# Altium PCB PCB1.PcbDoc (part 2 of 2)
Units mil, origin at the board's own origin, x right, y up, seen from the top; angles counter-clockwise.
Board outline 2320 x 1970 mil, 2 copper layers (Top Layer, Bottom Layer); 95 components, 145 nets, 507 pads, 282 vias.
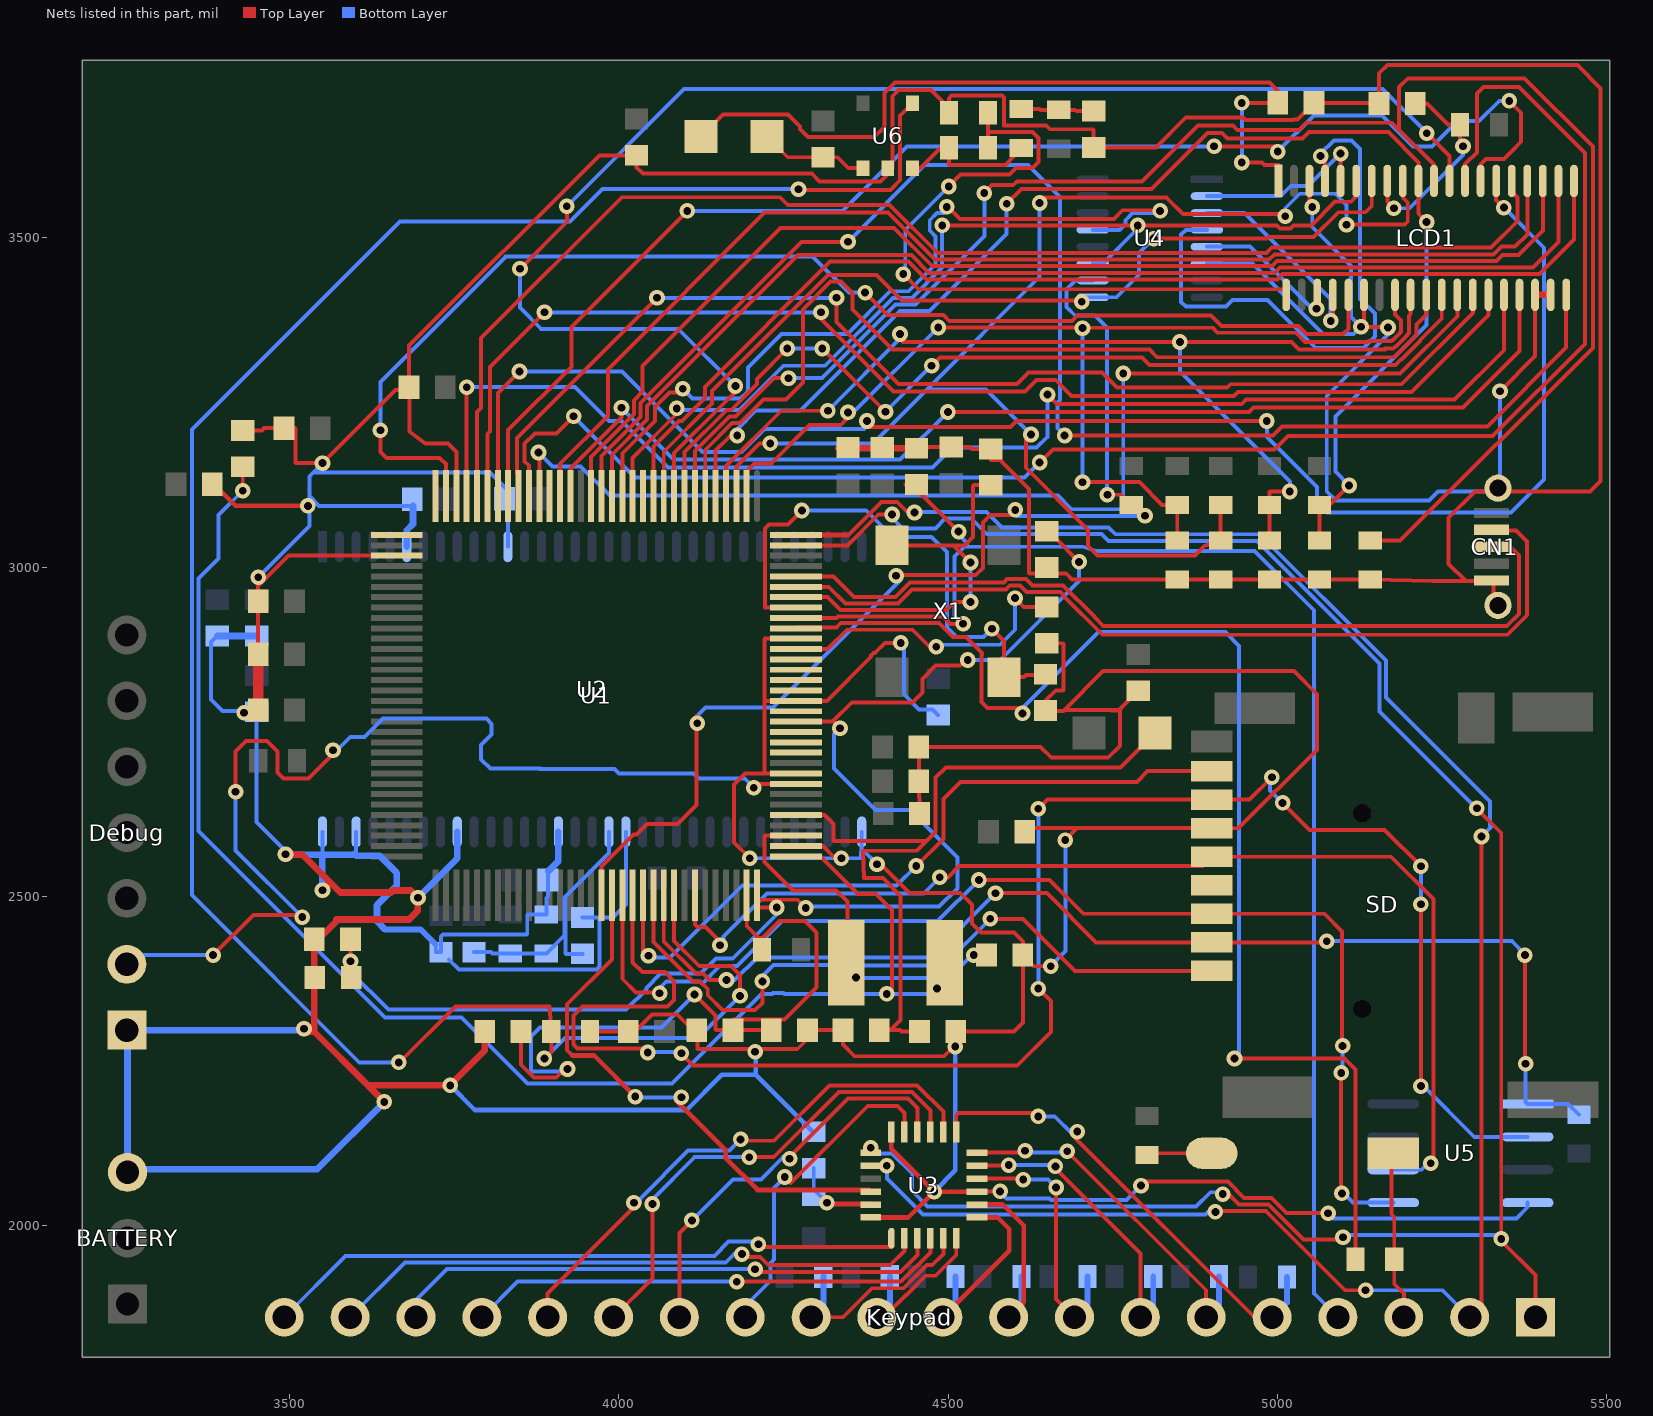
[diagram p2: the nets of this part, all layers, seen from the top]

## Via types
v1: diameter 23.81, hole 11.81, Top Layer to Bottom Layer, tented both sides, 184 vias
v2: diameter 23.62, hole 11.81, Top Layer to Bottom Layer, tented both sides, 98 vias

## Nets (pads, with @x,y where several pads share a name; then routed paths per layer and width w, separated by ;. In a path a pad name is that pad's centre, name@x,y a point inside that pad or via, vN(x,y) a via of type N, cw(c..) or ccw(c..) an arc to the next point about the centre after c; other vN are vias at no path point) (continued)
GND: BATTERY.3 C1.1 C2.1 C3.1 C4.1 C5.1 C6.1 C7.1 C8.1 C9.1 C10.1 C11.1 C12.1 C13.1 C14.1 C15.1 C16.1 C17.1 C18.1 C19.1 C20.1 C21.1 C22.1 C23.1 C24.1 C25.1 C26.1 C27.1 C28.1 C29.1 C30.1 C31.1 C32.1 C33.1 C34.1 C35.1 C36.1 C37.1 C39.1 C42.1 C43.1 C44.1 C45.1 C46.1 CN1.0 CN1.5 Debug.1 LCD1.5 LCD1.12 LCD1.34 LCD1.36 R4.1 R9.1 R11.1 R13.1 R15.1 R16.1 R19.1 R22.1 SD.6 U1.30 U1.35 U1.98 U1.105 U1.112 U1.118 U2.6 U2.12 U2.34 U2.48 U2.52 U2.58 U2.64 U2.66 U3.9 U3.18 U3.24 U4.6 U5.4 U6.2 | length 18451.8
  Top Layer w6: C23.1@3429,3207.56 3458,3207.56 3461.44,3211 C8.1@3491.44,3211 3508,3211 3508.96,3210.04 3508.96,3159 3510,3157.96 v1(3550,3158) v1(3550,3158) 3661,3269 3682,3269 3682,3206.15 ; C6.1@3452.44,2868 C5.1@3452.44,2948 3452.44,2971.44 ; v1(3452.44,2984.62) 3452.44,2971.44 ; C19.1@3537.44,2435 C19.1@3544.06,2435 ; U1.35@3662.76,3017.45 3498.45,3017.45 3452.44,2971.44 ; C13.1@3681.44,3273 3681.44,3336.44 3970.44,3625.44 C43.1@4027,3625.44 4027,3607 4036.46,3597.54 4293.04,3597.54 4305.01,3585.56 4397.56,3585.56 4408.4,3596.4 U6.2@4408.4,3606 4415.27,3606 4415.27,3715 4424.74,3724.46 4474.01,3724.46 R22.1@4501.47,3697 ; 3682,3206 3682,3206.15 ; U1.30@3753.31,3108 3753.31,3175 3740.78,3187.53 3707.03,3187.53 3682,3206.15 ; R19.1@3956.53,2295 C11.1@4014.44,2295 4024.46,2295 4050.41,2320.94 4088.71,2320.94 4112.66,2297 C16.1@4118.44,2297 4119.44,2268 4271,2268 C17.1@4300,2297 ; v1(4199,2558) 4175,2582 4175,2670 4191.74,2686.74 4222,2686.74 ; U1.98@4269.06,2576.5 4309.77,2576.5 4328.27,2558 v1(4338,2558) ; U1.105@4269.06,2686.74 4222,2686.74 ; U1.118@4269.06,2891.46 4222,2891.46 4221,2890.46 4221,2795.98 ; C17.1@4286.56,2297 C17.1@4300,2297 ; v1(4392,2549) 4397.52,2549 4441.52,2505 4518.5,2505 4536,2487.5 4536,2459 4550,2445 4600,2445 4613.56,2431.44 C24.1@4613.56,2411 ; v1(4428,2885) 4404.02,2885 4389.02,2870 4387.1,2870 4383,2865.9 4383,2863.98 4316,2796.98 U1.112@4269.06,2796.98 4222,2796.98 4221,2795.98 ; C25.1@4435,3180.56 C25.1@4452,3180.56 4469,3180.56 4471,3182.56 C14.1@4505,3182.56 4533,3182.56 4536,3179.56 C26.1@4565,3179.56 4565,3163.5 4565.5,3163 4578.68,3163 4623,3118.68 4623,2991.44 4624,2990.44 4679.41,2990.44 4688.38,2981.47 R9.1@4848,2981.47 R11.1@4914,2981.47 R13.1@4988,2981.47 R15.1@5064,2981.47 R16.1@5141,2981.47 5235.65,2978.82 5286.18,2978.82 ; C20.1@4455.92,2626 C20.1@4456.56,2626 4456.56,2650 4455.56,2651 C22.1@4455.56,2675 C21.1@4455.56,2727 4640.65,2727 4656.65,2711 4743.23,2711 4761,2728.77 4761,2784.44 C12.1@4783.28,2806.72 ; R22.1@4501.47,3690 R22.1@4501.47,3697 ; U3.9@4543.92,2051.87 4544.06,2052 v2(4579,2052) ; C4.1@4616.56,2598 4622.17,2603.61 4696,2603.61 ; C29.1@4650,2884.44 4674,2884.44 4675,2883.44 4675,2813.5 4674,2812.5 4663.5,2812.5 4649,2798 4649,2781.44 4675,2781.44 4676.56,2783 ; v2(4656,2394) 4630.56,2394 C24.1@4613.56,2411 ; v2(4678,2585.61) 4696,2603.61 ; 4748,2783 4676.56,2783 ; v2(4793,2061) 4798.81,2066.81 4924.79,2066.81 4949.6,2042 4990.94,2042 5013.94,2019 v2(5077,2019) ; LCD1.5@5048.84,3586.5 5048.84,3551.16 v1(5053,3547) ; v1(5127,3365) 5167,3365 v1(5168,3364) ; v1@5131.52,3369.52 LCD1.12@5131.52,3413.5 ; C45.1@5154.44,3704 C45.1@5154.44,3705 ; CN1.0@5338,2940 5328,2950 5328,2978.82 5286.18,2978.82 ; v1(5338,3267) 5391.36,3320.36 LCD1.34@5391.36,3413.5 ; 4221,2795.98 4221,2687.74 4222,2686.74 ; C17.1@4300,2297 C10.1@4340.44,2297 4340.44,2275 4358.11,2257.33 4493.89,2257.33 4511.56,2275 C9.1@4511.56,2295 4600,2295 4613.56,2308.56 C24.1@4613.56,2411 ; R22.1@4501.47,3697 4501.47,3712 4505.42,3715.94 4582,3715.94 4585,3712.94 4585,3671 4649,3671 4655,3665 4720,3665 4721,3664 C44.1@4721,3637.44 4815.89,3637.44 4860.94,3682.49 4947.91,3682.49 4951.34,3679.06 5024,3679.06 5025,3680.06 5030.62,3680.06 C42.1@5055.56,3705 C45.1@5154.44,3705 ; 4676.56,2783 4735.56,2842 5025,2842 5060,2807 5060,2722.61 4940.5,2603.11 SD.6@4900.65,2603.61 4696,2603.61 ; C45.1@5154.44,3705 5154.44,3750 5166.94,3762.5 5455.5,3762.5 5491,3727 5491,3131 5475,3115 5300,3115 5260,3075 5260,3005 5286.18,2978.82
  Top Layer w7: C3.1@3382.56,3126 3385,3126 3418,3093 v2(3528,3093) ; C19.1@3534.88,2437.56 C19.1@3537.44,2435 ; v2(4207,2264) v2@4207,2266 ; U3.24@4382.5,2012.5 4439.5,2012.5 v2(4478.87,2051.87) ; U3.18@4414,2142.42 4414,2116.73 v2(4478.87,2051.87) ; U3.9@4543.92,2051.87 v2(4478.87,2051.87) ; 4748,2783 4759.56,2783 4761,2784.44 ; C12.1@4783.28,2806.72 C12.1@4789,2812.44
  Top Layer w10: v1@3495,2563 3520,2563 3561.73,2521.27 ; v2(3522,2299) 3526.44,2294.56 3537.44,2294.56 ; C19.1@3537.44,2435 3537.44,2294.56 ; C19.1@3544.06,2435 3572.43,2463.38 ; v1(3550,2509.54) 3561.73,2521.27 ; 3570.81,2465 3681.52,2465 3695,2478.48 v1(3695,2498) 3683.96,2509.04 3657.06,2509.04 3654.02,2506 3577,2506 3561.73,2521.27 ; 3616.26,2215.74 3537.44,2294.56 ; v1(3644,2188) 3619,2213 3743.44,2213 3796.44,2266 C15.1@3796.44,2295 ; C1.1@4333,3180.56 C25.1@4435,3180.56 ; LCD1.34@5391.36,3413.5 LCD1.36@5414.98,3413.5
  Top Layer w15.75: C7.1@3452.44,2783 C6.1@3452.44,2868
  Bottom Layer w6: C33.1@3390,2895.44 3381,2886.44 3381,2799 3398.28,2781.72 v2@3431,2781.72 ; v2(3431,2779) v2@3431,2781.72 ; C37.1@3447.44,2783 3450,2783 C37.1@3450,2781.72 ; v1(3452.44,2984.62) 3530,3062.18 3530,3108 ; v1@3495,2563 v1(3494,2564) 3494,2569 3450,2613 C37.1@3450,2780.44 C37.1@3450,2781.72 ; 3550,2563 U2.66@3550,2598 ; v1(3550,3158) 3536,3144 ; 3595,2563 3601.18,2569.18 ; 3601.18,2562 3601.18,2569.18 ; U2.64@3601.18,2598 3601.18,2569.18 ; C31.1@3687.44,3093 3545,3093 3530,3108 ; C35.1@3722,2427 3722,2415.44 C35.1@3730,2415.44 3730,2439 3733,2442 3860,2442 3861,2443 3861,2471.53 3862,2472.53 R4.1@3890,2472.53 3890,2497.53 3892.56,2500.09 C30.1@3892.56,2525 C30.1@3892.56,2538 ; C35.1@3741.78,2404.22 3757.09,2388.91 3966.12,2388.91 3971,2393.79 3971,2467 3970,2468 ; U2.12@3831.5,3031.07 3831.5,3087.05 3832.44,3088 3832.44,3115.73 3804.17,3144 3536,3144 ; C39.1@3945,2468 3970,2468 ; U2.48@4010.63,2598 4010.63,2487.5 3991.13,2468 3970,2468 ; v1(4199,2558) v1(4338,2558) 4367.9,2558 U2.34@4368.9,2598 4368.9,2572.1 v1(4392,2549) ; v1(4428,2885) 4430,2885 4433,2888 4433,2807 4456,2784 4476.44,2784 C36.1@4485,2775.44 ; v2(4579,2052) 4579,2051 4589,2041 4654.4,2041 4656.21,2039.19 4771.19,2039.19 v2(4793,2061) ; v2(4656,2394) 4656,2395 4678,2417 v2(4678,2585.61) ; U4.6@4893,3461.05 4961.95,3461.05 5069.04,3353.96 5115.96,3353.96 v1(5127,3365) 5112,3380 5112,3457.24 5053,3516.24 v1(5053,3547) ; v2(5077,2019) 5085,2011 5363,2011 5380,2028 U5.4@5380,2035 ; v1(5168,3364) 5168,3353 5075,3260 5075,3115 5089,3101 5230,3101 5244,3115 5338,3115 v1(5338,3267) ; v2@3431,2781.72 C37.1@3450,2781.72 ; 3530,3108 3530,3138 3536,3144
  Bottom Layer w7: v2(3744,2213) 3781.31,2175.69 4103,2175.69 4156.31,2229 4208,2229 ; v2(4207,2264) 4208,2263 4208,2229 ; C46.1@4296,2142.56 4294.44,2142.56 4208,2229 ; v2(4478.87,2051.87) 4511,2084 v2(4511,2272)
  Bottom Layer w9: 3645.2,2450 3699,2450 C35.1@3722,2427
  Bottom Layer w10: C33.1@3390,2895.44 C32.1@3450,2895.44 ; v1@3495,2563 3550,2563 ; v2(3522,2299) 3520,2297 Debug.1@3253,2297 3254,2296 BATTERY.3@3254,2081 3259,2086 3542,2086 v1(3644,2188) ; v1(3550,2509.54) 3550,2563 ; 3595,2563 3550,2563 ; 3601.18,2562 3636.5,2562 3663,2535.5 3663,2517 3632.78,2486.78 3632.78,2462.42 3645.2,2450 ; U2.6@3677.95,3031.07 3677.95,3055.95 3687.44,3065.44 C31.1@3687.44,3093 ; v1(3695,2498) 3754.72,2557.72 U2.58@3754.72,2598 ; C30.1@3892.56,2538 3908.27,2553.71 U2.52@3908.27,2598
GP2.19: U1.32 | length 22
  Top Layer w6: U1.32@3721.81,3108 U1.32@3721.81,3130
GP2.20: U1.21
GP2.24: U1.33
HP_VGND: U1.111
HPL: U1.113
HPR: U1.109
I2C_SCL: Keypad.1 U1.127 U3.19 | length 3174.3
  Top Layer w6: U1.127@4269.06,3033.2 4347.2,3033.2 4394,3080 v1(4415,3080) ; U3.19@4382.5,2110.92 v2(4382.5,2118.5) ; v2@4921.5,2052.5 4942,2032 4986.8,2032 5039.8,1979 5102,1979 5102,1980.19 v2(5099.66,1982.53) ; v1@5302.5,2633.5 5340,2596 v2(5340,1980) 5340,1977 5392,1925 Keypad.1@5392,1861
  Bottom Layer w6: v2(4382.5,2118.5) 4391.2,2109.81 4414.79,2109.81 4445.6,2079 4445.6,2052.4 4469,2029 4876.4,2029 4898.21,2050.81 v2@4914.81,2050.81 ; v1(4415,3080) 4415,3075 4431,3059 4480.6,3059 4495.63,3074.04 4535.17,3074.04 4558.71,3050.5 4733,3050.5 4743.5,3040 4969,3040 5155,2854 5155,2781 v1@5302.5,2633.5 ; v2(5099.66,1982.53) 5096,1986.19 5333.81,1986.19 v2(5340,1980)
  other v1: 5303,2634
  other v2: 4917,2048
I2C_SDA: Keypad.2 U1.128 U3.20 | length 3104
  Top Layer w6: 4347.39,3048.94 4348.8,3048.94 4398.76,3098.91 4422.83,3098.91 4438.74,3083 v2(4449,3083) ; U3.20@4382.5,2091.24 4406.76,2091.24 v2(4407,2091) ; v2@4916,2022 4982.66,2022 5102.66,1902 v2(5134,1902) ; Keypad.2@5292,1861 5310,1879 v2(5310,2591)
  Top Layer w8: U1.128@4269.06,3048.94 4347.39,3048.94
  Bottom Layer w6: v2(4407,2091) 4407,2072 4462,2017 4891,2017 4895,2021 v2(4906,2021) ; v2(4449,3083) 4450.04,3084.04 4558.46,3084.04 4582,3060.5 4743.5,3060.5 4754,3050 4973.14,3050 5165,2858.14 5165,2802 5323,2644 5323,2608 5325,2606 v2(5310,2591) ; v2(5134,1902) 5251,1902 Keypad.2@5292,1861
JTAG_RTCK: SD.1 U1.86 | length 1081.9
  Top Layer w6: U1.86@4052.52,2501.7 4052.52,2430.98 4112.47,2371.04 4123.3,2371.04 4135.04,2359.3 4135.04,2349.96 4157.7,2327.3 4207.02,2327.3 4218,2338.27 v1@4218,2379 ; v1(4564,2466) 4614.07,2466 4693,2387.07 SD.1@4900.65,2387.07
  Bottom Layer w6: v1@4218,2379 4234.81,2395.81 4367.79,2395.81 4368.6,2395 4493,2395 v1(4564,2466)
  other v1: 4218,2371
JTAG_TCK: SD.8 U1.85 | length 1107.1
  Top Layer w6: U1.85@4036.77,2501.7 4036.77,2414.23 v1@4044,2407 ; v1(4451.69,2546.19) 4493,2587.5 4493,2648 4519,2674 4786.78,2674 4803,2690.22 SD.8@4900.65,2690.22
  Bottom Layer w6: v1@4044,2407 4078,2407 4187.46,2516.46 4421.96,2516.46 v1(4451.69,2546.19)
  other v1: 4045,2410
JTAG_TDI: SD.7 U1.84 U5.2 | length 2724
  Top Layer w6: U1.84@4021.02,2501.7 4021.02,2400 4036.02,2385 4070,2385 4084,2371 4084,2343 4073.67,2332.67 3944.67,2332.67 3931,2319 3931,2275.5 3937.5,2269 4044.59,2269 4044.59,2263.59 v1(4044,2263) ; v1@4094,2261.5 4112.5,2243 4605,2243 4656,2294 4656,2341 v1(4637,2360) ; v1(4637,2633) 4650.91,2646.91 SD.7@4900.65,2646.91 4957.71,2646.91 v2(4991.81,2681.02) ; v2(5008,2642) 5049,2601 5163,2601 v2(5218,2546) ; v2(5218,2212) v2(5218,2488)
  Bottom Layer w6: v1(4044,2263) 4045,2264 4093,2264 v1(4095,2262) ; v1(4637,2360) v1(4637,2633) ; v2(4991.81,2681.02) 4989,2678.21 4989,2661 v2(5008,2642) ; v2(5218,2212) 5222,2212 5299,2135 U5.2@5380,2135 ; v2(5218,2488) v2(5218,2546)
JTAG_TDO: SD.3 U1.83 U5.5 | length 1827.5
  Top Layer w6: U1.83@4005.28,2501.7 4005.28,2375.03 4026.31,2354 v1@4062,2354 ; v1(4546.8,2525.04) 4653.96,2525.04 4705.31,2473.69 SD.3@4900.65,2473.69 5071.31,2473.69 5098,2447 5098,2271 5099,2272 v2(5099,2273) ; v2(5097,2232) 5097,2050 v2(5098,2049)
  Bottom Layer w6: v1@4058.25,2357.25 4072.04,2371.04 4123.3,2371.04 4126.33,2368 4127,2368 4153.28,2394.28 4179.69,2394.28 4247.88,2462.46 4484.23,2462.46 v1(4546.8,2525.04) ; v2(5097,2232) 5099,2230 v2(5099,2273) ; v2@5099,2051 5115,2035 U5.5@5176.06,2035
  other v1: 4062,2353
JTAG_TMS: R35.1 SD.2 U1.87 U5.1 | length 1810
  Top Layer w6: U1.87@4068.27,2501.7 4068.27,2431.82 4117.33,2382.76 4128.16,2382.76 4137.92,2373 v1(4163.5,2373) ; v1(4572,2505) 4650,2505 4724.62,2430.38 SD.2@4900.65,2430.38 5073.38,2430.38 v2(5075,2432) ; v2(5376,2411) 5376,2247 v2(5377,2246)
  Bottom Layer w6: v1(4163.5,2373) 4176,2373 4210.5,2407.5 4474.5,2407.5 v1(4572,2505) ; v2(5075,2432) 5356,2432 5376,2412 v2(5376,2411) ; v2(5377,2246) 5377,2188 U5.1@5380,2185 5441.53,2185 R35.1@5458,2168.53
JTAG_TRST: SD.5 U1.90 U5.6 | length 1741.7
  Top Layer w6: U1.90@4115.51,2501.7 4115.51,2457.48 4119.46,2453.54 4131.51,2453.54 v1@4159.04,2426 ; v1@4150,2429.67 v1(4153.63,2426.04) ; v1(4487.33,2529) 4499.83,2529 4516.83,2546 4886.35,2546 SD.5@4900.65,2560.3 5172.7,2560.3 5237,2496 5237,2099 v2(5233,2095)
  Bottom Layer w6: v1@4153.67,2426 4159.04,2426 4159.04,2438.93 4224.85,2504.74 4463.06,2504.74 v1(4487.33,2529) ; U5.6@5176.06,2085 5219,2085 v2@5231,2097
KEY_INT: U1.82 U3.22 | length 837.8
  Top Layer w6: 3929.5,2258.5 3921,2267 3921,2336 3989.53,2404.53 U1.82@3989.53,2501.7
  Top Layer w7: 3929.5,2258.5 3962.5,2258.5 v2(4025,2196) ; v2(4095,2195) 4090.42,2190.42 4086.42,2190.42 4162.5,2114.35 4162.5,2102.5 4210.69,2054.31 4380.06,2054.31 U3.22@4382.5,2051.87
  Bottom Layer w6: v2(4025,2196) 4026,2195 v2(4095,2195)
KI1: Keypad.20 U3.1 | length 985.8
  Top Layer w6: v2(4212,1972) 4216,1968 4414,1968 U3.1@4414,1981
  Bottom Layer w6: Keypad.20@3492,1861 3585.09,1954.09 4145.09,1954.09 4166.81,1975.81 4208.19,1975.81 v2(4212,1972)
KI2: Keypad.19 U3.2 | length 916.8
  Top Layer w6: v2(4187,1957) 4191.19,1952.81 4214.79,1952.81 4227.6,1940 4412,1940 4433.69,1961.68 U3.2@4433.69,1981
  Bottom Layer w6: Keypad.19@3592,1861 3675.09,1944.09 4162.36,1944.09 4175.26,1957 v2(4187,1957)
KI3: Keypad.18 U3.3 | length 844.6
  Top Layer w6: v2(4207,1934) 4211,1930 4428,1930 4453.37,1955.37 U3.3@4453.37,1981
  Bottom Layer w6: Keypad.18@3692,1861 3692,1887 3739,1934 v2(4207,1934)
KI4: Keypad.17 U3.4 | length 743.3
  Top Layer w6: v2(4179,1915) 4428.48,1915 4473.06,1959.58 U3.4@4473.06,1981
  Bottom Layer w6: Keypad.17@3792,1861 3846,1915 v2(4179,1915)
KI5: Keypad.16 U3.14 | length 833.9
  Top Layer w6: Keypad.16@3892,1861 3892,1897 4030,2035 v2(4023,2035) ; v2(4185,2131) 4187,2129 4236,2129 4320,2213 4453,2213 4492.74,2173.26 U3.14@4492.74,2142.42
  Bottom Layer w6: v2(4023,2035) 4023.19,2035.19 4032.19,2035.19 4032.19,2040.79 4105.4,2114 4168,2114 v2(4185,2131)
KI6: Keypad.15 U3.15 | length 737.2
  Top Layer w6: Keypad.15@3992,1861 4051,1920 v2(4051,2033) ; v2(4198,2104) 4235.12,2104 4334.12,2203 4445,2203 4473.06,2174.95 U3.15@4473.06,2142.42
  Bottom Layer w6: v2(4051,2033) 4051,2040 4115,2104 v2(4198,2104)
KI7: Keypad.14 U3.16 | length 619.6
  Top Layer w6: Keypad.14@4092,1861 4092,1989 v2(4111,2008) ; v2(4259.35,2101.62) 4259.35,2104.35 4348,2193 4439,2193 4453.37,2178.63 U3.16@4453.37,2142.42
  Bottom Layer w6: v2(4111,2008) 4173.5,2070.5 4215.76,2070.5 4249.26,2104 4256.97,2104 v2(4259.35,2101.62)
KI8: Keypad.13 U3.17 | length 505.4
  Top Layer w6: v2(4252,2074) 4252,2073.62 4260.81,2064.81 4378,2182 4423,2182 4433.69,2171.32 U3.17@4433.69,2142.42
  Bottom Layer w6: Keypad.13@4192,1861 4192,1878 4230.69,1916.69 4230.69,1943.62 4236,1948.92 4236,2057 4252,2073 v2(4252,2074)
KO1: Keypad.12 R26.1 U3.5 | length 334
  Top Layer w6: Keypad.12@4292,1861 4340.34,1861 4384.34,1905 4432.62,1905 4468.14,1940.52 4476,1940.52 4492.74,1957.26 U3.5@4492.74,1981
  Bottom Layer w9: Keypad.12@4292,1861 4310.53,1879.53 R26.1@4310.53,1923
KO2: Keypad.11 R27.1 U3.6 | length 255.2
  Top Layer w6: Keypad.11@4402,1861 4436,1895 4436.76,1895 4465.76,1924 4481,1924 4512.43,1955.42 U3.6@4512.43,1981
  Top Layer w9: Keypad.11@4392,1861 Keypad.11@4402,1861
  Bottom Layer w9: Keypad.11@4392,1861 4411.53,1880.53 R27.1@4411.53,1923
KO3: Keypad.10 R28.1 U3.7 | length 302.3
  Top Layer w7: Keypad.10@4492,1861 4593,1962 4593,1995 4575.5,2012.5 U3.7@4543.92,2012.5
  Bottom Layer w9: Keypad.10@4492,1861 4511.53,1880.53 R28.1@4511.53,1923
KO4: Keypad.9 R29.1 U3.8 | length 303.2
  Top Layer w7: U3.8@4543.92,2032.18 4583.18,2032.18 4615,2000.36 4615,1884 Keypad.9@4592,1861
  Bottom Layer w9: Keypad.9@4592,1861 4611.53,1880.53 R29.1@4611.53,1923
KO5: Keypad.8 R30.1 U3.10 | length 404.4
  Top Layer w6: U3.10@4543.92,2071.55 4612.45,2071.55 v2(4614,2070) ; v2(4664,2058) 4664,1889 Keypad.8@4692,1861
  Bottom Layer w6: v2(4614,2070) 4652,2070 v2(4664,2058)
  Bottom Layer w9: Keypad.8@4692,1861 4711.53,1880.53 R30.1@4711.53,1923
KO6: Keypad.7 R31.1 U3.11 | length 477
  Top Layer w6: U3.11@4543.92,2091.24 4591.24,2091.24 v2(4592,2092) ; v2(4663,2090) 4660,2090 4792,1958 Keypad.7@4792,1861
  Bottom Layer w6: v2(4592,2092) 4658,2092 4660,2090 v2(4663,2090)
  Bottom Layer w9: Keypad.7@4792,1861 4811.53,1880.53 R31.1@4811.53,1923
KO7: Keypad.6 R32.1 U3.12 | length 549
  Top Layer w6: U3.12@4543.92,2110.92 4614.08,2110.92 v2(4617,2113.84) ; v2(4681,2113) 4892,1902 Keypad.6@4892,1861
  Bottom Layer w6: v2@4619.84,2111 v2@4681,2111
  Bottom Layer w9: v2(4617,2113.84) v2@4619.84,2111 ; Keypad.6@4892,1861 4911.53,1880.53 R32.1@4911.53,1923
KO8: Keypad.5 R33.1 U3.13 | length 699
  Top Layer w6: U3.13@4512.43,2142.42 4512.43,2167.43 4516,2171 4632,2171 v2(4637,2166) ; v2@4694,2132 4965,1861 Keypad.5@4992,1861
  Bottom Layer w6: v2(4637,2166) 4662,2166 v2@4690.5,2137.5
  Bottom Layer w9: Keypad.5@4992,1861 5014.53,1883.53 R33.1@5014.53,1922
  other v2: 4696,2143
LCD_CS: LCD1.10 U1.31 | length 1921.5
  Top Layer w6: v2(3638,3208) 3638,3175 3647,3166 3728,3166 3737.56,3156.44 U1.31@3737.56,3108 ; v2(4374,3417) 4408,3383 4408,3382.91 4492.91,3382.91 4501.82,3374 4688.26,3374 4696.17,3381.91 4898.99,3381.91 4914.9,3366 5032.38,3366 5044.38,3354 5100,3354 5107.9,3361.9 LCD1.10@5107.9,3413.5
  Bottom Layer w6: v2(3638,3208) 3638,3281 3828,3471 3828,3471.91 4294.33,3471.91 4349.24,3417 v2(4374,3417)
LCD_D00: LCD1.16 R8.1 R9.2 U1.2 | length 1644.2
  Top Layer w6: U1.2@4194.25,3108 4194.25,3145.84 4206.08,3157.66 4231.54,3157.66 4289.88,3216 4337,3216 v1@4346,3225 ; v1(4485.08,3364) v1@4704,3364 ; v1(4704,3129) 4790.47,3129 4825,3094.47 R8.1@4848,3094.47 R9.2@4848,3040.53 ; v1(4704,3363) v1@4704,3364 ; LCD1.16@5178.76,3413.5 5178.76,3384 5188.04,3374.72 5188.04,3358.14 5186.91,3357 5186.91,3356.17 5175.83,3345.09 5175,3345.09 5173.36,3343.45 5138,3343.45 5136.78,3342.24 5042,3342.24 5028.24,3356 4909,3356 4902,3363 v1@4704.01,3364
  Bottom Layer w6: v1@4346,3225 4355.19,3234.19 4355.19,3234.1 v1(4485.08,3364) ; v1(4704,3129) v1(4704,3363)
  other v1: 4348,3235
LCD_D01: LCD1.17 R10.1 R11.2 U1.3 | length 2102
  Top Layer w6: U1.3@4178.5,3108 4178.5,3152.73 4213.78,3188 v1(4230,3188) ; v1(4626,3201.5) 4618,3193.5 4618,3151 4712.63,3056.37 4712.63,3032.2 4726.83,3018 4875,3018 4889,3032 R11.2@4914,3040.53 R10.1@4914,3094.47 ; v1(4639,3553) 4647,3561 4832,3561 4857,3536 5009,3536 v1(5012,3533) ; v1(5105,3520) 5193,3520 5198,3525 5198,3553.57 5190.57,3561 LCD1.17@5190.57,3586.5
  Bottom Layer w6: v1(4230,3188) 4386,3188 4468,3270 ; v1(4626,3201.5) 4557.5,3270 4468,3270 ; v1(4639,3553) 4639,3441 4468,3270 ; v1(5012,3533) 5012,3545.04 5034,3567.04 5087.96,3567.04 5105,3550 v1(5105,3520)
LCD_D02: LCD1.18 R12.1 R13.2 U1.4 | length 1819.8
  Top Layer w6: U1.4@4162.76,3108 4162.76,3153.56 4246.68,3237.48 v1(4317.48,3237.48) ; v1@4427,3347 4431.76,3342.24 5021.29,3342.24 5021.53,3342 ; v1(4852.04,3342) 5021.53,3342 ; R13.2@4988,3040.53 R12.1@4988,3094.47 4988,3114 4989,3115 v1(5019,3115) ; LCD1.18@5202.39,3413.5 5202.39,3384.39 5199.77,3381.77 5199.77,3355.72 5196.91,3352.86 5196.91,3352.03 5179.97,3335.09 5179.14,3335.09 5175.77,3331.73 5164.41,3331.73 ; 5021.53,3342 5033.01,3330.51 5161.97,3330.51 ; 5161.97,3330.51 5163.19,3331.73 5164.41,3331.73 ; 5161.97,3330.51 5163.19,3330.51 5164.41,3331.73
  Bottom Layer w6: v1(4317.48,3237.48) 4427,3347 v1(4427,3354) ; v1(4852.04,3342) 4852.04,3297.01 5019,3130.05 v1(5019,3115)
LCD_D03: LCD1.19 R14.1 R15.2 U1.5 | length 2068.1
  Top Layer w6: U1.5@4147.01,3108 4147.01,3177.01 4170,3200 v1(4180,3200) ; v1(4589,3552) 4611.24,3574.24 4808.96,3574.24 4893.76,3659.04 4916.04,3659.04 4924.04,3651.04 5038.37,3651.04 5047.87,3660.54 5168.46,3660.54 5214.19,3614.81 LCD1.19@5214.19,3586.5 5214.19,3536.69 v1(5226.69,3524.19) ; R15.2@5064,3040.53 R14.1@5064,3094.47 5079.47,3094.47 v1(5109,3124)
  Bottom Layer w6: v1(4180,3200) 4180,3210 4208,3238 4276,3238 4427,3389 4471.92,3389 4589,3506.08 v1(4589,3552) ; v1(5109,3124) 5088,3145 5088,3229 5226.69,3367.69 v1(5226.69,3524.19)
LCD_D04: LCD1.20 U1.6 | length 1464.4
  Top Layer w6: U1.6@4131.26,3108 4131.26,3178 4172.17,3218.91 4183.91,3218.91 4219.43,3254.43 4253.63,3254.43 4279.54,3280.33 4279.54,3391.39 4321.68,3433.54 4337.5,3433.54 4354.96,3416.07 4354.96,3390.99 4415.76,3330.19 4806.12,3330.19 4817.53,3318.79 5176.97,3318.79 5183.28,3325.09 5184.12,3325.09 5206.91,3347.88 5206.91,3348.72 5211.49,3353.31 5211.49,3368.49 5226.01,3383.01 LCD1.20@5226.01,3413.5
LCD_D05: LCD1.21 R16.2 U1.7 | length 2663.7
  Top Layer w6: U1.7@4115.51,3108 4115.51,3176.39 4168.03,3228.91 4177.32,3228.91 4235.38,3286.96 v1(4257.6,3286.96) ; v1(4555,3568) 4567,3580 4599,3580 4604.97,3585.96 4794.52,3585.96 4879.32,3670.76 4932.33,3670.76 4939.09,3664 5032.81,3664 5043.63,3674.82 5174.18,3674.82 5185,3664 ; R16.2@5141,3040.53 5186.53,3040.53 5479,3333 5479,3638.51 5375.51,3742 5198,3742 5185,3729 5185,3664 ; LCD1.21@5237.81,3586.5 5237.81,3611.19 5185,3664
  Bottom Layer w6: v1(4257.6,3286.96) 4308.38,3286.96 4420.42,3399 4450.85,3399 4555,3503.15 v1(4555,3568)
LCD_D06: LCD1.22 U1.8 | length 1430.9
  Top Layer w6: U1.8@4099.76,3108 4099.76,3174.78 4163.88,3238.91 4170.74,3238.91 4209.76,3277.92 4209.76,3285.96 v1(4255.8,3332) ; v1(4309,3332) v1(4405,3236) ; v1(4475,3306) 4487.47,3318.47 4794.39,3318.47 4805.8,3307.06 5179.39,3307.06 5187.42,3315.09 5188.26,3315.09 5216.91,3343.74 5216.91,3344.58 5249.63,3377.3 LCD1.22@5249.63,3413.5
  Bottom Layer w6: v1(4255.8,3332) v1(4309,3332) ; v1(4405,3236) v1(4475,3306)
LCD_D07: LCD1.23 U1.9 | length 2259.6
  Top Layer w6: v1(3850,3453) 3921,3524 v1(3921,3548) ; U1.9@4084.02,3108 4084.02,3173.18 4159.74,3248.91 4159.91,3248.91 4177,3266 v1(4177,3275) ; v1(5227,3659) 5261.43,3624.57 LCD1.23@5261.43,3586.5
  Bottom Layer w6: v1(3850,3453) 3850,3394 3882,3362 4090,3362 v1(4177,3275) ; v1(3921,3548) 4099,3726 5160,3726 v1(5227,3659)
LCD_D08: LCD1.24 U1.22 | length 1771.4
  Top Layer w6: v1(3878,3174) 3879.29,3172.71 U1.22@3879.29,3108 ; v1(4766,3294) 5186.25,3294 5273.25,3381 LCD1.24@5273.25,3413.5
  Bottom Layer w6: v1(3878,3174) 3899.04,3152.96 3942.05,3152.96 3986.31,3108.7 4667.11,3108.7 4687.85,3087.96 4765,3087.96 4766,3088.96 v1(4766,3294)
LCD_D09: LCD1.25 U1.23 | length 2471.3
  Top Layer w6: U1.23@3863.54,3108 3863.54,3154.15 3857.12,3160.58 3857.12,3187.5 3872.9,3203.28 3905.66,3203.28 v1(3931.38,3229) ; v1(4639,3159) 4659,3179 4995.84,3179 5015.84,3199 5327,3199 5467,3339 5467,3628.96 5366.96,3729 5313,3729 5303,3719 5303,3630 5285.06,3612.06 LCD1.25@5285.06,3586.5
  Bottom Layer w6: v1(3931.38,3229) 4024.36,3136.02 4616.02,3136.02 v1(4639,3159)
LCD_D10: LCD1.26 U1.24 | length 1786
  Top Layer w6: U1.24@3847.8,3108 3847.8,3142.43 3845.39,3142.43 3845.39,3196.36 v1(4058.04,3409) ; v1@4330.5,3398.01 4330.5,3372.46 4424.66,3278.3 4604.77,3278.3 4622.24,3295.76 4733.53,3295.76 4756.56,3272.74 4923.77,3272.74 4928.79,3277.76 5188.51,3277.76 5296.87,3386.12 LCD1.26@5296.87,3413.5
  Bottom Layer w6: v1(4058.04,3409) v1(4330.5,3409)
LCD_D11: LCD1.27 U1.25 | length 2087.7
  Top Layer w6: U1.25@3832.05,3108 3832.05,3208 3928,3303.95 3928,3365 v1(4104,3541) ; v1(4904,3639) 4997,3639 5005,3631 v1(5000.5,3631) ; LCD1.27@5308.68,3586.5 5308.68,3611.68 5317.09,3620.09 5344.36,3620.09 5355.43,3631.17 5355.43,3631.43 5370,3646 5370,3690 v2(5352,3708)
  Bottom Layer w6: v1(4104,3541) 4339.5,3541 4437.5,3639 v1(4904,3639) ; v1(5000.5,3631) 5055.5,3686 5158.96,3686 5206,3638.96 5234.96,3638.96 5273.5,3677.5 5306.5,3677.5 5337,3708 v2(5352,3708)
LCD_D12: LCD1.28 U1.27 | length 1902.6
  Top Layer w6: U1.27@3800.55,3108 3800.55,3202.55 3804.22,3206.22 3804.22,3304.09 v1(3887.13,3387) ; v1(4307,3387) 4307,3377 4417.43,3266.57 4616.5,3266.57 4633.96,3284.04 4663.48,3284.04 4687.5,3260.02 4934.5,3260.02 4940.52,3266.03 5203.57,3266.03 5320.5,3382.96 LCD1.28@5320.5,3413.5
  Bottom Layer w6: v1(3887.13,3387) v1(4307,3387)
LCD_D13: LCD1.29 U1.26 | length 2418.5
  Top Layer w6: U1.26@3816.3,3108 3816.3,3264.15 v1(3849.15,3297) ; v1@4375,3213 4595,3213 4604,3222 v1(4984,3222) ; LCD1.29@5332.3,3586.5 5332.3,3557.7 v1(5344,3546)
  Bottom Layer w6: v1(3849.15,3297) 4005,3297 4127,3175 4186,3175 4221,3210 4372,3210 v1@4375,3213 ; v1(4984,3222) 4984,3197.96 5060,3121.96 5060,3098 5075,3083 5355,3083 5405,3133 5405,3485 v1(5344,3546)
  other v1: 4377,3222
LCD_D14: LCD1.30 U1.29 | length 1997.6
  Top Layer w6: U1.29@3769.06,3108 v1(3769.06,3273.26) ; v1(4651,3262) 4665,3248 4945.94,3248 4952.25,3254.31 5269,3254.31 5344.12,3329.43 LCD1.30@5344.12,3413.5
  Bottom Layer w6: v1(3769.06,3273.26) 3933.7,3273.26 3985,3221.96 4004.04,3221.96 4074.45,3151.55 4476.55,3151.55 4506.46,3181.46 4634.46,3181.46 4651,3198 v1(4651,3262)
LCD_D15: LCD1.31 U1.28 | length 2024.3
  Top Layer w6: U1.28@3784.8,3108 3784.8,3235.8 3791,3242 3791,3348 4004.71,3561.71 4244.85,3561.71 4256.57,3550 4411.28,3550 4484.28,3477 4983.39,3477 4991.5,3485.11 5324.23,3485.11 5364.38,3525.26 5364.38,3561.35 5355.92,3569.81 LCD1.31@5355.92,3586.5
LCD_D16: LCD1.32 U1.19 | length 1715.8
  Top Layer w6: U1.19@3926.54,3108 3926.54,3150.12 4004,3227.58 v1(4004,3242) ; v1(4499.74,3235.74) 4957.13,3235.74 4963.97,3242.58 5281.76,3242.58 5367.74,3328.57 LCD1.32@5367.74,3413.5
  Bottom Layer w6: v1(4004,3242) 4082.72,3163.28 4427.28,3163.28 v1(4499.74,3235.74)
LCD_D17: LCD1.33 U1.20 | length 1843.6
  Top Layer w6: U1.20@3910.79,3108 3910.79,3157 3983.49,3229.71 3983.49,3300.36 4221.4,3538.26 4408.88,3538.26 4480.14,3467 4987.53,3467 4995.64,3475.11 5328.37,3475.11 5340.26,3487 5361.15,3487 5379.54,3505.4 LCD1.33@5379.54,3586.5
LCD_DCLK: LCD1.35 U1.17 | length 1805.6
  Top Layer w6: U1.17@3958.03,3108 3958.03,3167.47 4022.91,3232.35 4022.91,3253.33 4036.02,3266.45 4036.02,3305.63 4245.39,3515 4418,3515 4476,3457 4991.67,3457 4999.78,3465.11 5332.51,3465.11 5341.68,3474.28 5366.28,3474.28 5403.17,3511.17 LCD1.35@5403.17,3586.5
LCD_DISP: U1.12
LCD_EN: LCD1.39 U1.11 | length 1724.5
  Top Layer w6: U1.11@4052.52,3108 4052.52,3183.38 4091.33,3222.19 4095.79,3222.19 4130.81,3257.21 4130.81,3273.79 4321,3464 4440,3464 4467,3437 4999.96,3437 5008.06,3445.11 5398.11,3445.11 5450.41,3497.41 LCD1.39@5450.41,3586.5
LCD_HSYNC: LCD1.37 U1.15 | length 1761.1
  Top Layer w6: U1.15@3989.53,3108 3989.53,3170.68 4042.91,3224.06 4042.91,3245.05 4271.86,3474 4444.14,3474 4471.14,3447 4995.82,3447 5003.92,3455.11 5387.96,3455.11 5426.79,3493.94 LCD1.37@5426.79,3586.5
LCD_VSYNC: LCD1.38 U1.16 | length 2237.6
  Top Layer w6: U1.16@3973.78,3108 3973.78,3169.08 4032.91,3228.2 4032.91,3249.19 4277.72,3494 v1(4348,3494) ; v1(4677,3200) 4993.39,3200 5007.27,3213.88 5318.88,3213.88 5438.61,3333.61 LCD1.38@5438.61,3413.5
  Bottom Layer w6: v1(4348,3494) 4464.54,3610.54 4621.5,3610.54 4669.91,3562.13 4669.91,3254.17 4666,3250.26 4666,3211 v1(4677,3200)
LED1: R19.2 U1.88 U6.4 | length 3390
  Top Layer w6: v1@3666.5,2247.5 3752,2333 3894.44,2333 R19.2@3897.47,2295 3897.47,2264.47 v1(3887,2254) ; U1.88@4084.02,2501.7 4084.02,2432.65 4122.18,2394.48 4170.35,2394.48 4184,2380.83 v1(4184,2349) ; v1(4273,3574) 4274,3573 4412.5,3573 4427,3587.5 4427,3686 4427.38,3686 U6.4@4445.8,3704.43
  Bottom Layer w6: v1@3666.5,2247.5 3606.5,2247.5 3352,2502 3352,3209 3668,3525 3926,3525 3975,3574 v1(4273,3574) ; v1(3887,2254) 3918,2285 4120,2285 v1(4184,2349)
  other v1: 3666,2248
LEDA: C42.2 D3.K LCD1.1 | length 1220.7
  Top Layer w6: D3.K@4125,3654 4158.23,3687.23 4257,3687.23 4275,3669.23 4275,3665.5 4287.5,3653 4387.5,3653 4403.17,3668.67 4403.17,3720.17 4419.19,3736.19 4988.25,3736.19 5000.44,3724 C42.2@5000.44,3705 v1(4946,3705) ; v1(4946,3614.5) 4976.93,3614.5 4980.46,3610.96 5001.59,3610.96 LCD1.1@5001.59,3586.5
  Bottom Layer w6: v1(4946,3614.5) v1(4946,3705)
LEDK: LCD1.2 R21.2 R22.2 | length 1082.5
  Top Layer w6: v1(4432,3445) 4455,3422 5013.41,3422 LCD1.2@5013.41,3413.5 ; v1(4501,3578) 4519,3596 4593,3596 4603,3606 4628,3606 4637,3615 4637,3651.87 4627.87,3661 4563.53,3661 4560.53,3658 ; R21.2@4560.53,3637 4560.53,3658 ; R22.2@4560.53,3690 4560.53,3658
  Bottom Layer w6: v1@4435,3445 4435,3512 v1(4501,3578)
LINE1_INL: U1.115
LINE1_INR: U1.114
LRADC0: U1.108
LRADC1: U1.107
MIC: U1.116
NetC9_2: C9.2 C10.2 D1.K U1.101 | length 1176
  Top Layer w6: U1.101@4269.06,2623.75 4312.5,2623.75 4326,2610.25 4326,2585 4327,2584 4467,2584 ; C10.2@4395.56,2297 4412.5,2297 ; C9.2@4456.44,2295 4429,2295 4427,2297 4412.5,2297 ; D1.K@4815,2749 4762,2696 4496.56,2696 4481,2680.44 4481,2598 4467,2584 ; 4412.5,2297 4428,2312.5 4428,2501 4401,2528 4372,2528 4371,2569 4453,2570 4467,2584
NetC15_2: C15.2 C16.2 C17.2 R1.2 U1.95 | length 1114.7
  Top Layer w6: C15.2@3851.56,2295 3851.56,2244.44 3871,2225 3905,2225 v1@3927,2247 ; v1(4115,2351) 4147,2319 4147,2298 4148,2297 C16.2@4173.56,2297 ; U1.95@4194.25,2501.7 4194.25,2455 4212.25,2437 4218.47,2437 ; R1.2@4218.47,2433 4218.47,2437 ; C17.2@4231.44,2297 C16.2@4173.56,2297 ; C16.2@4173.56,2297 4173.56,2313.46 4251.5,2313.46 4300,2361.96 4300,2445 4282.54,2462.46 4243.94,2462.46 4218.47,2437
  Bottom Layer w6: v1@3927,2247 3913.96,2233.96 3868,2233.96 3866.96,2235 3866.96,2287.5 3880.46,2301 4065,2301 v1(4115,2351)
  other v1: 3922,2238
NetC18_2: C18.2 C19.2 C28.2 U1.96 U1.110 | length 2215.7
  Top Layer w6: v1(3592.56,2401.44) C19.2@3592.56,2435 ; U1.96@4210,2501.7 U1.96@4210,2495 ; v1(4240,2483.22) 4239.78,2483 4210,2483 U1.96@4210,2495 ; v1(4284,2482.5) 4271.5,2495 U1.96@4210,2495 ; v1(4336,2755.5) 4325.25,2766.25 ; v1(4530,2859) 4530.36,2859 4530.4,2858.96 4527.07,2858.96 4518.52,2850.42 4481,2850.42 4461,2830.42 4461,2809.55 4446.22,2794.78 4353.78,2794.78 4325.25,2766.25 ; C28.2@4649,3045.56 4661.44,3045.56 v1(4699,3008) ; 4325.25,2766.25 4324.48,2765.48 U1.110@4269.06,2765.48 4325.25,2766.25
  Bottom Layer w6: v1(3592.56,2401.44) 3592.56,2385.44 3650,2328 4011,2328 4041.96,2358.96 4041.96,2361.3 4063.43,2382.76 4124.03,2382.76 4147.27,2406 4173,2406 4240,2473 v1(4240,2483.22) ; v1(4284,2482.5) 4286.01,2484.51 4486.51,2484.51 4514.26,2512.26 4514.26,2559.24 4442.34,2631.16 4390,2631.16 4327.04,2694.12 4327.04,2746.54 v1(4336,2755.5) ; v1(4530,2859) v1(4530,2859) 4579.23,2858.96 4699,2978.74 v1(4699,3008)
NetC23_2: C23.2 L1.2 U1.97 | length 2231.8
  Top Layer w6: v1(3429,3116) C23.2@3429,3152.44 ; U1.97@4269.06,2560.76 4305.96,2560.76 4362.95,2503.77 4390.73,2503.77 4415,2479.5 4415,2360 v1(4407,2352)
  Bottom Layer w6: v1(3429,3116) 3392,3079 3392,3012.94 3362,2982.94 3362,2599.42 3645.14,2316.28 3761.2,2316.28 3861.48,2216 4081,2216 4217,2352 4232.76,2352 4234.17,2353.41 4249.83,2353.41 4251.24,2352 v1(4407,2352) 4475,2352 v2(4483,2360)
NetC24_2: C24.2 L1.1 U1.99 | length 551.4
  Top Layer w6: U1.99@4269.06,2592.25 4222.71,2592.25 4221.46,2591 4221.46,2552.54 4264.76,2509.24 4330,2509.24 4347.19,2492.05 4347.19,2400.99 L1.1@4345.2,2399 ; v2@4532,2411 v2(4539,2411) C24.2@4558.44,2411
  Bottom Layer w6: v2(4360,2377) 4360.81,2376.19 4472.59,2376.19 4475.21,2378.81 4503.81,2378.81 4536,2411 v2(4539,2411)
NetC29_2: C29.2 U1.117 | length 475.3
  Top Layer w6: U1.117@4269.06,2875.72 4317,2875.72 4346.28,2905 4445.95,2905 v1@4480.5,2870.45 ; v1(4601.5,2953) 4614.94,2939.56 C29.2@4650,2939.56
  Bottom Layer w6: v1@4480.5,2870.45 4492.22,2882.17 4578.7,2882.17 4601.5,2904.96 v1(4601.5,2953)
  other v1: 4482,2879
NetC38_2: C38.2 C39.2 R3.1 R4.2 U2.49 | length 447.2
  Bottom Layer w6: C38.2@3780,2415.44 3806,2415.44 3807.97,2413.47 R3.1@3835,2413.47 R4.2@3890,2413.47 3917.56,2441.03 3917.56,2498.52 3919,2499.96 ; C39.2@3945,2412.88 3920,2412.88 3919,2413.88 3919,2499.96 ; U2.49@3985.04,2598 3985.04,2566 3919,2499.96
NetC44_2: C44.2 R20.1 R23.1 | length 111.2
  Top Layer w6: R20.1@4611,3695.53 4639,3695.53 4640,3694.53 R23.1@4668,3694.53 4693,3694.53 4694.97,3692.56 C44.2@4721,3692.56
NetC45_2: C45.2 LCD1.15 R24.2 | length 313.2
  Top Layer w6: LCD1.15@5166.95,3586.5 5166.95,3555.05 v1(5177,3545) ; C45.2@5209.56,3704 5227,3704 5259,3672 R24.2@5277.47,3672 5277.47,3643.53 v1(5282,3639)
  Bottom Layer w6: v1(5177,3545) 5200.86,3545 5282,3626.14 v1(5282,3639)
NetC46_2: C46.2 R25.2 U3.23 | length 132.4
  Top Layer w7: v2(4316,2035) 4314,2033 4381.69,2033 U3.23@4382.5,2032.18
  Bottom Layer w6: C46.2@4296,2087.44 4296,2055 v2(4316,2035)
NetD3_A: D3.A L2.2 U6.1 | length 165.9
  Top Layer w6: D3.A@4225,3654 4256.56,3622.44 L2.2@4310,3622.44 4332,3622.44 4348.44,3606 U6.1@4371,3606
NetR20_2: R20.2 R21.1 U6.3 | length 220.8
  Top Layer w6: U6.3@4445.8,3606 4458,3606 4489,3637 R21.1@4501.47,3637 4501.47,3612 4502.47,3611 4587,3611 4600.95,3624.95 4600.95,3636.47 R20.2@4611,3636.47
NetR34_1: R34.1 S1.2 | length 99.5
  Top Layer w6: R34.1@4802,2107.47 4804.53,2110 S1.2@4900.41,2110
PSWITCH: R17.1 U1.119 | length 1949.7
  Top Layer w6: U1.119@4269.06,2907.21 4270.57,2908.72 4330.79,2908.72 4337.07,2915 4486,2915 4507.1,2893.89 4527.11,2893.89 4551.3,2869.7 4551.3,2867.03 4551,2866.73 4551,2795 4560,2786 4605,2786 v1(4613,2778) ; v1(4935,2254) 5101.97,2254 5118.47,2237.5 R17.1@5118.47,1949
  Bottom Layer w6: v1(4613,2778) 4613,2786 4728.27,2901.27 4921.23,2901.27 4942,2880.5 4942,2261 v1(4935,2254)
PWR_KEY: Keypad.3 R17.2 S1.1 | length 253.9
  Top Layer w6: S1.1@5173,2107 5173,2017.53 5177.53,2013 R17.2@5177.53,1949 5177.53,1911.47 5192,1897 Keypad.3@5192,1861
S_CLK: LCD1.13 U1.10 U4.9 | length 1399.1
  Top Layer w6: U1.10@4068.27,3108 4068.27,3175.27 4141.5,3248.5 4141.5,3267.5 4317.54,3443.54 4391.46,3443.54 4430,3405 4701,3405 v2(4703,3403) ; v2(4812,3499) 4984,3499 4986.19,3501.19 5055.19,3501.19 5092.91,3538.91 5133.91,3538.91 5143.32,3548.32 LCD1.13@5143.32,3586.5
  Bottom Layer w6: v2(4703,3403) 4709.87,3409.87 U4.9@4719.77,3409.87 4755.87,3409.87 4790,3444 4790,3477 v2(4812,3499)
S_MISO: U1.14 U4.13 | length 1242.9
  Top Layer w6: U1.14@4005.28,3108 4005.28,3172.28 4055,3222 4055,3243 4077,3265 4091,3265 v2(4097,3271) ; v2(4498,3547) 4500,3547 4518,3529 4752,3529 4765,3542 4809,3542
  Bottom Layer w6: v2(4097,3271) 4111.91,3256.09 4184.83,3256.09 4195.91,3267.17 4195.91,3302.91 4247,3354 4347.14,3354 4412.14,3419 4440,3419 4481,3460 4481,3502.4 4472.19,3511.21 4472.19,3526.79 4483.21,3537.81 4492.81,3537.81 4498,3543 v2(4498,3547) ; U4.13@4719.77,3512.23 4760.23,3512.23 4769.19,3521.19 4769.19,3526.79 4780.21,3537.81 v2@4813.19,3537.81
  other v2: 4822,3541
S_MOSI: LCD1.11 U1.13 U4.11 | length 1488
  Top Layer w6: U1.13@4021.02,3108 4021.02,3166.02 4088,3233 v2(4088,3241) ; v2(4491,3519) v2(4788,3519) 4999.26,3519 5004.17,3514.09 5019.83,3514.09 5024.74,3519 5051.74,3519 5087.74,3555 5090.63,3555 5090.73,3554.89 5111.89,3554.89 5119.7,3562.7 LCD1.11@5119.7,3586.5
  Bottom Layer w6: v2(4088,3241) 4090,3239 4182.9,3239 4249.77,3305.87 4313.15,3305.87 4416.28,3409 4445.11,3409 4491,3454.89 v2(4491,3519) ; U4.11@4719.77,3461.05 4735.05,3461.05 4788,3514 v2(4788,3519)
TP_CS: R7.1 U1.81 U4.10 | length 1656.9
  Top Layer w6: U1.81@3973.78,2501.7 3973.78,2545.78 4022,2594 4027.14,2594 4043.14,2610 4089,2610 4118,2639 v2@4118,2774 ; v2@4423.11,2981.94 4429.17,2988 4542,2988 4552.91,2998.91 4552.91,3067.91 4564,3079 v2@4604,3079 ; v2(4742,3110) 4762.47,3110 R7.1@4778,3094.47
  Bottom Layer w6: v2@4119,2774 4131.85,2786.85 4233.85,2786.85 v2@4427.5,2980.5 ; v2@4604,3079 4605.04,3077.96 4799.04,3077.96 v2(4799,3077.93) ; U4.10@4719.77,3435.46 4693.36,3435.46 4679.91,3422 4679.91,3395 4693.91,3381 4695.26,3381 4696.17,3381.91 4723.09,3381.91 4741,3364 4741,3111 v2(4742,3110)
  other v2: 4119,2763 4421,2987 4602,3087
USB_DM: CN1.2 U1.123 | length 1345.1
  Top Layer w6: U1.123@4269.06,2970.2 4318.8,2970.2 4344,2945 4424,2945 4445,2966 4587.76,2966 4593.67,2971.91 4609.33,2971.91 4618.93,2962.31 4670.62,2962.31 4674.72,2958.21 4674.72,2957.28 4734.63,2897.37 5349.37,2897.37 5379,2927 5379,3039.09 5362.5,3055.59 CN1.2@5328,3055.59
USB_DP: CN1.3 U1.124 | length 1292.2
  Top Layer w6: U1.124@4269.06,2985.95 4326.05,2985.95 4357,2955 4419.86,2955 4441.89,2977.04 4584.66,2977.04 4589.53,2981.91 4618.39,2981.91 4627.99,2972.31 4674.76,2972.31 4722.14,2924.92 4722.14,2924 4735.14,2911 5348.86,2911 5367,2929.14 5367,3018 5355,3030 CN1.3@5328,3030
VCC: SD.4
VDAC1: Debug.2 U1.104 | length 1633.3
  Top Layer w6: v2(3384,2411) 3445,2472 3516.02,2472 v2(3519.33,2468.69) ; v2(3418,2659) 3418,2720 3434,2736 3466,2736 3482,2720 3482,2688 3491,2679 3529,2679 3566,2716 v2(3566,2722) ; v1(4205,2665) 4210.99,2670.99 U1.104@4269.06,2670.99
  Bottom Layer w6: Debug.2@3253,2397 3267,2411 v2(3384,2411) ; v2(3418,2659) 3418,2570.02 v2(3519.33,2468.69) ; v2(3566,2722) 3572.26,2722 3592.17,2741.91 3613.91,2741.91 3641.91,2769.91 3798.79,2769.91 3807,2761.7 3807,2746 3791,2730 3791,2708 3805,2694 3880,2694 3880.6,2693.41 3993.47,2693.41 3999.98,2686.9 4074.88,2686.9 4107.12,2686.91 4113.56,2686.9 4121.68,2678.78 4191.22,2678.78 v1(4205,2665)
VDDXTAL: C25.2 Keypad.4 U1.120 | length 2184.2
  Top Layer w6: U1.120@4269.06,2922.96 4330.89,2922.96 4332.93,2925 4492.58,2925 4503.58,2914 v1(4522.85,2914) ; C25.2@4435,3125.44 4444.56,3125.44 v1(4516,3054)
  Bottom Layer w6: v1(4516,3054) 4516,3050 4529,3037 4529,3031 ; v1(4522.85,2914) 4510,2926.85 4510,3016 4525,3031 4529,3031 ; Keypad.4@5092,1861 5056,1897 5056,2934 4965.46,3024.54 4724.46,3024.54 4705.07,3031 4529,3031
XN: LCD1.7 U4.4 | length 895.2
  Top Layer w6: v2(5065.74,3624.26) 5072.46,3617.54 LCD1.7@5072.46,3586.5
  Bottom Layer w6: U4.4@4893,3512.23 4861,3512.23 4854,3505.23 4854,3402.73 4861,3395.73 4921.73,3395.73 4932,3406 4985,3406 5058.36,3332.64 5130.61,3332.64 5147.96,3349.99 5147.96,3385.22 5125.8,3407.38 5125.8,3634.74 5112.5,3648.04 5085.77,3648.04 v2@5065.74,3628
  Bottom Layer w8: v2(5065.74,3624.26) v2@5065.74,3628
XP: LCD1.9 U4.2 | length 271.3
  Top Layer w6: LCD1.9@5096.08,3586.5 v1(5096.08,3628)
  Bottom Layer w6: U4.2@4893,3563.41 5004.99,3563.41 5020.35,3578.76 5046.84,3578.76 v1(5096.08,3628)
XTALI: C26.2 U1.122 X1.1 | length 608
  Top Layer w6: U1.122@4269.06,2954.46 4317,2954.46 4336.46,2935 4497.35,2935 4509.35,2947 v1(4534,2947) ; X1.1@4415,3033 4508,3033 ; v1(4534,3007) 4508,3033 ; C26.2@4565,3124.44 4539,3124.44 4538,3123.44 4538,3046 4525,3033 4508,3033
  Bottom Layer w6: v1(4534,2947) v1(4534,3007)
XTALO: C27.2 U1.121 X1.3 | length 821.6
  Top Layer w6: U1.121@4269.06,2938.71 4222,2938.71 4222,3059 4228,3065 4257,3065 v1(4278,3086) ; v1(4566.54,2906.5) 4585,2888.04 X1.3@4585,2833 4615,2833 4618.56,2836.56 C27.2@4649,2836.56
  Bottom Layer w6: v1(4278,3086) 4375.71,3086 4415.71,3046 4475,3046 4498.2,3022.8 4498.2,2908.19 4512.5,2893.89 4553.93,2893.89 v1(4566.54,2906.5)
YN: LCD1.6 U4.5 | length 231.3
  Top Layer w6: v1(5059.48,3392.57) 5060.65,3393.74 LCD1.6@5060.65,3413.5
  Bottom Layer w6: U4.5@4893,3486.64 4958.67,3486.64 v1@5060.65,3384.65
YP: LCD1.8 U4.3 | length 316
  Top Layer w6: v1(5081,3374) 5084.28,3377.28 LCD1.8@5084.28,3413.5
  Bottom Layer w6: U4.3@4893,3537.82 4950.18,3537.82 5081,3407 v1(5081,3374)
pads on no net: BATTERY.2 CN1.4 LCD1.14 SD.0 SD.9 SD.10 U1.34 U2.14 U2.17 U2.19 U2.25 U2.43 U2.50 U2.53 U4.7 U4.8 U4.12 U4.14 U4.16 X1.2 X1.4
copper on no net: | length 1624.5
  Top Layer w10: 3213,3585 3213,3732 3877,3732 3877,3585 3213,3585
  Bottom Layer w6: 4757,3435.46 4758.76,3433.69

## Polygon pours and split planes (outlines as drawn)
GND on Top Layer "Top Layer-GND" (solid, remove dead copper, pour order 14): 5505,3770 5505,1800 3185,1800 3185,3770
GND on Bottom Layer "Bottom Layer-GND" (solid, remove dead copper, pour order 16): 3185,3770 3185,1800 5505,1800 5505,3770

## Other copper
Top Layer:
  text "ArithMax" at 3324,3653 h60
  text "Designed by Nbzwt" at 3350,3611 h25

## Silkscreen, mask and mechanical layers (free items; w line width, h text height)
Top Overlay:
  text "FIG PCB VER 1.2 (ES)" at 3207,3520 h40
  text "This device has not been authorized as required by" at 3201,3483 h20
  text "the rules of the Federal Communications Commission." at 3204,3449 h20
  text "This device is not, and may not be, offered for sa-" at 3201,3417 h20
  text "le or lease, or sold or leased, until authorization" at 3201,3385 h20
  text "is obtained." at 3200,3353 h20
Bottom Overlay:
  drawing of 6761 lines, arcs and shapes, not listed
  text "ArithMax" at 3939,2044 h60
  text "Calculator for hackers" at 4179,1983 h40
Top Paste:
  text "ArithMax" at 3324,3653 h60
  text "Designed by Nbzwt" at 3350,3611 h25
Top Solder:
  rectangle: 3205,3577 3884,3741
Mechanical 1:
  the board outline again, w5